# Altium PCB JacdacMicroBitBackPackHi-Alt0 119.PcbDoc (continued)
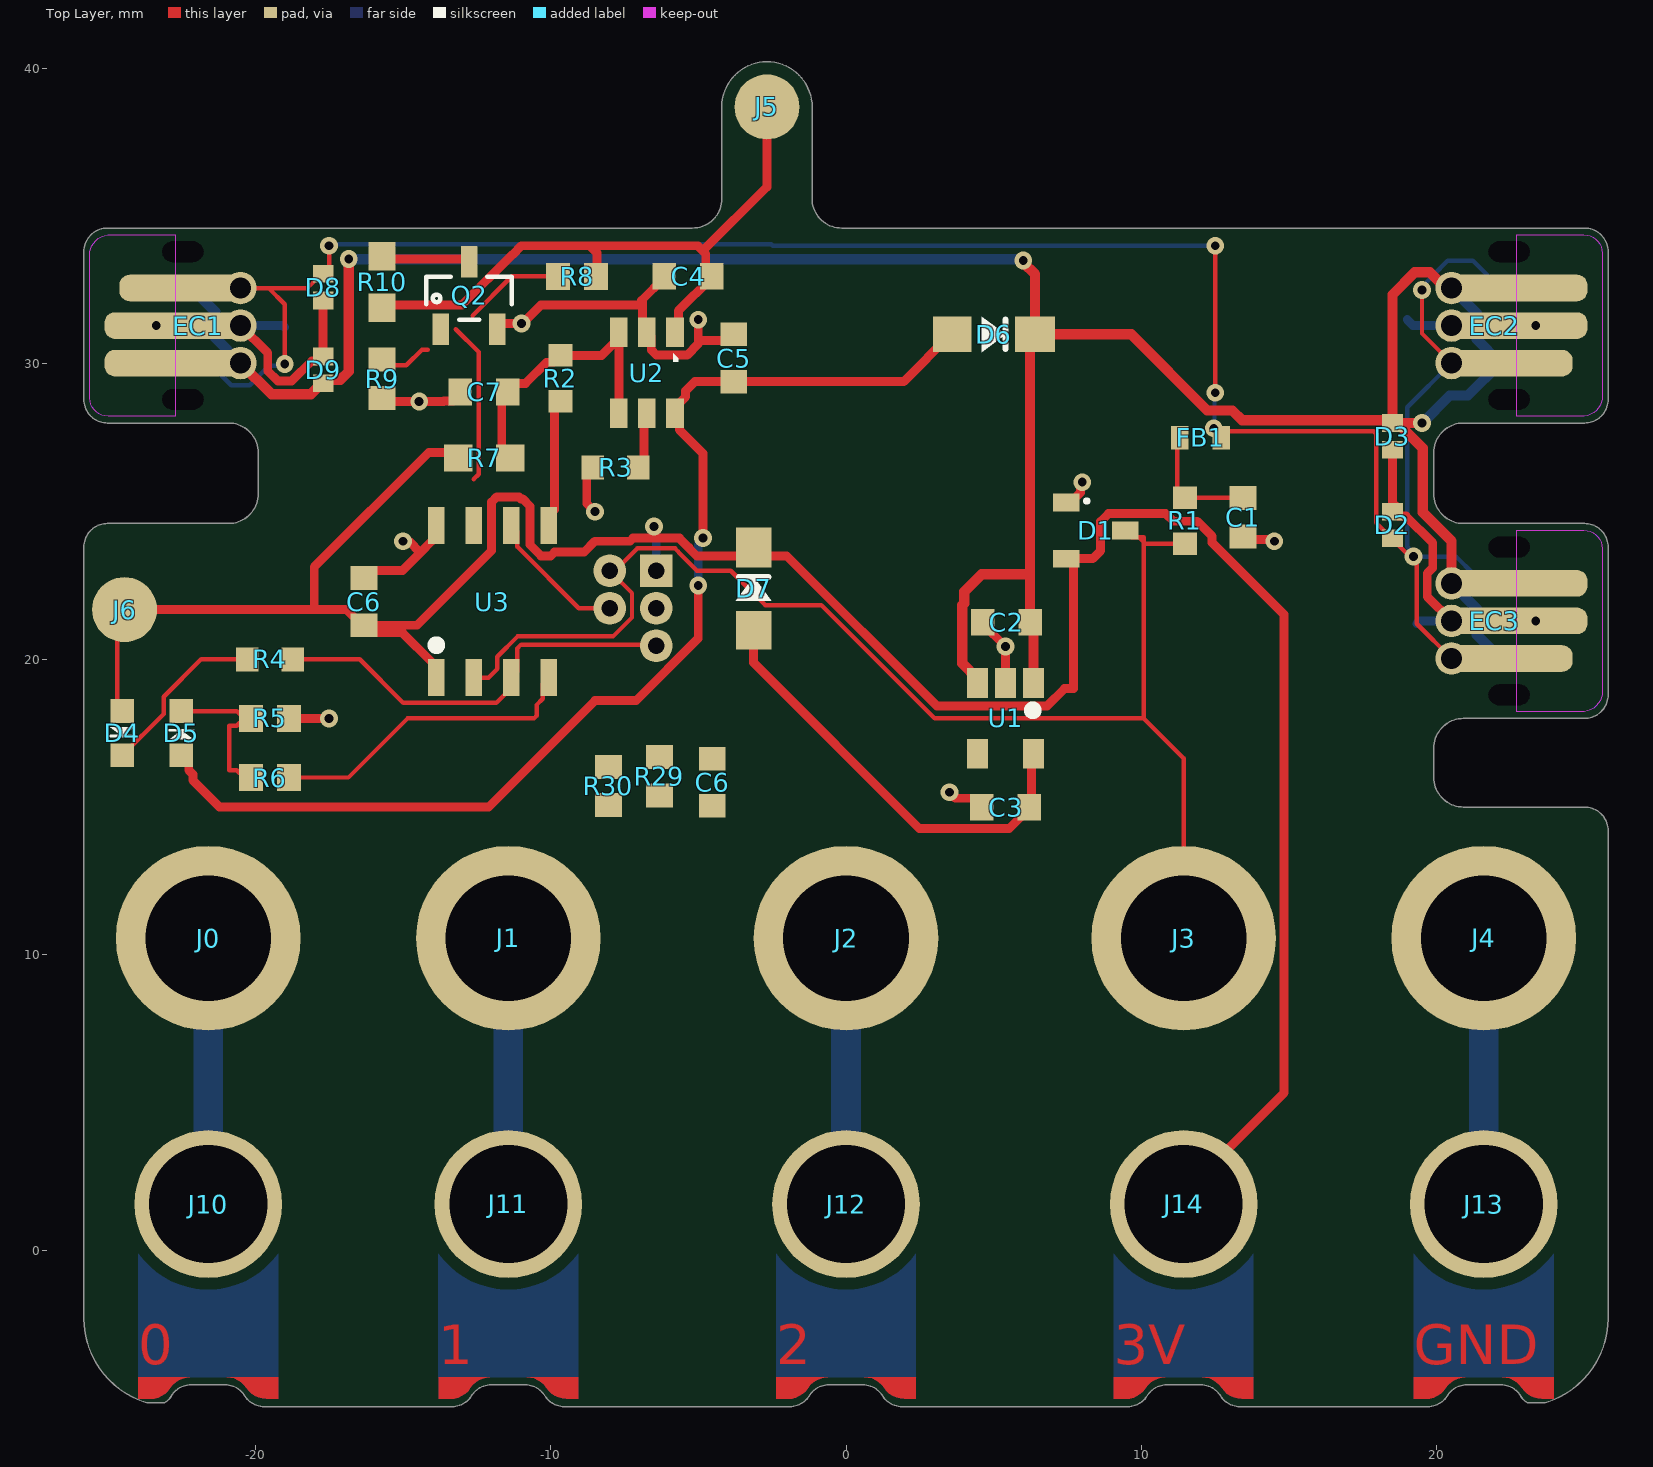
[diagram p0: Top Layer view]
## Footprints (in the part's own frame and the unit in brackets; to place one, negate y for a bottom-side part, rotate by r counter-clockwise, add the part's x,y. Pads: shape width x height; smd on the part's side, far side on the other; paste and mask are expansions set on the pad) (continued)
  Bottom Layer region: 0.625,-5.859 1.001,-5.953 1.288,-6.212 1.288,-6.212 1.286,-6.213 1.577,-6.489 1.965,-6.589 1.965,-6.589 1.965,-6.589 2.365,-6.59 2.365,-5.859
  Bottom Layer region: -0.622,-5.863 -0.998,-5.957 -1.285,-6.216 -1.285,-6.216 -1.284,-6.217 -1.574,-6.493 -1.962,-6.593 -1.962,-6.593 -1.962,-6.593 -2.362,-6.595 -2.362,-5.864
MICROBIT_V2_EDGE_CONNECTOR_RING_P1 [mm]
  round 5 hole 4 paste-5: 1(0,0)
  Top Layer region: -0.622,-5.867 -0.998,-5.961 -1.285,-6.22 -1.285,-6.22 -1.284,-6.221 -1.574,-6.497 -1.962,-6.597 -1.962,-6.597 -1.962,-6.597 -2.362,-6.598 -2.362,-5.867
  Top Layer region: 0.625,-5.863 1.001,-5.956 1.288,-6.215 1.288,-6.215 1.286,-6.217 1.577,-6.492 1.965,-6.593 1.965,-6.593 1.965,-6.593 2.365,-6.594 2.365,-5.863
  Bottom Layer region: -0.622,-5.863 -0.998,-5.957 -1.285,-6.216 -1.285,-6.216 -1.284,-6.217 -1.574,-6.493 -1.962,-6.593 -1.962,-6.593 -1.962,-6.593 -2.362,-6.595 -2.362,-5.864
  Bottom Layer region: 0.625,-5.859 1.001,-5.953 1.288,-6.212 1.288,-6.212 1.286,-6.213 1.577,-6.489 1.965,-6.589 1.965,-6.589 1.965,-6.589 2.365,-6.59 2.365,-5.859
  Bottom Layer region: -2.365,-5.863 -2.365,-1.675 -1.331,-2.573 0,-2.896 1.331,-2.573 2.365,-1.675 2.365,-1.675 2.365,-5.859 2.37,-5.863
Microbit_V2_Edge_Connector_Ring_P2 [mm]
  round 5 hole 4 paste-5: 1(0,0)
  Top Layer region: 0.625,-5.863 1.001,-5.956 1.288,-6.215 1.288,-6.215 1.286,-6.217 1.577,-6.492 1.965,-6.593 1.965,-6.593 1.965,-6.593 2.365,-6.594 2.365,-5.863
  Top Layer region: -0.622,-5.867 -0.998,-5.961 -1.285,-6.22 -1.285,-6.22 -1.284,-6.221 -1.574,-6.497 -1.962,-6.597 -1.962,-6.597 -1.962,-6.597 -2.362,-6.598 -2.362,-5.867
  Bottom Layer region: -2.365,-5.863 -2.365,-1.675 -1.331,-2.573 0,-2.896 1.331,-2.573 2.365,-1.675 2.365,-1.675 2.365,-5.859 2.37,-5.863
  Bottom Layer region: 0.625,-5.859 1.001,-5.953 1.288,-6.212 1.288,-6.212 1.286,-6.213 1.577,-6.489 1.965,-6.589 1.965,-6.589 1.965,-6.589 2.365,-6.59 2.365,-5.859
  Bottom Layer region: -0.622,-5.863 -0.998,-5.957 -1.285,-6.216 -1.285,-6.216 -1.284,-6.217 -1.574,-6.493 -1.962,-6.593 -1.962,-6.593 -1.962,-6.593 -2.362,-6.595 -2.362,-5.864
MICRONE-SOT23-5 [mm]
  rect 1x0.7 smd: 1(-1.2,0.95) 2(-1.2,0) 3(-1.2,-0.95) 4(1.2,-0.95) 5(1.2,0.95)
  silkscreen extent -0.32,0.88 -0.23,0.97, body extent -1.32,-1.5 1.32,1.5, height 1.11
"NXP-BAT54S-TO-236AB - WITHOUT OUTLINE" [mm] "SOT23, 3-Leads, Body 2.90x2.30mm, Pitch 0.95mm, IPC Medium Density"
  rect 0.9x0.6 smd: 1(-1,0.95) 2(-1,-0.95) 3(1,0)
  silkscreen extent -0.35,0.95 -0.25,1.05, body extent -1.32,-1.5 1.32,1.5, height 1.12
RC0603 [mil]
  rect 30x32 smd: 1(-30.5,0) 2(30.5,0)
  body extent -31,-16 32,16, height 28
RC0603-M [mil]
  rect 38x36 smd: 1(-34.5,0) 2(34.5,0)
  body extent -31,-16 32,16, height 28
SMTSO-M3-2ET [mm]
  round 6.25 / inner round 6.25 / far side round 4.75 hole 4.25: 1(0,0)
  body extent -2.78,-2.78 2.78,2.78, height 2
SMTSO-M3-3ET [mm]
  round 6.25 / inner round 6.25 / far side round 4.75 hole 4.25: 1(0,0)
  body extent -2.78,-2.78 2.78,2.78, height 3
SOD-123W [mm]
  rect 1.35x1.2 smd: 1(-1.4,0)
  rect 1.3x1.2 smd: 2(1.4,0)
  silkscreen extent -0.4,-0.6 0.4,0.6, body extent -1.85,-0.95 1.85,0.95, height 1.09
SOP-8 [mm] "Pitch:1.27mm,Width:150mil"
  rect 1.25x0.55 smd: 1(-2.575,1.905) 2(-2.575,0.635) 3(-2.575,-0.635) 4(-2.575,-1.905) 5(2.575,-1.905) 6(2.575,-0.635) 7(2.575,0.635) 8(2.575,1.905)
  silkscreen extent -1.52,1.85 -1.43,1.95, body extent -3,-2.55 3,2.54, height 1.3
SOT23-ONS [mil]
  rect 22x42 smd: 1(-37.5,-45) 2(37.5,-45) 3(0,45)
  silkscreen extent -57,-32 57,25, body extent -60,-52 60,52, height 44
"TDK MPZ1608 0.8mm - without outline" [mm]
  rect 0.6x0.8 smd paste-0.1: 1(-0.7,0) 2(0.7,0)
  body extent -0.8,-0.4 0.8,0.4, height 0.8
"TI-TPS2553 - without_outline" [mm] "SOT23, 6-Leads, Body 2.90x2.80mm, Pitch 0.95mm, IPC Medium Density"
  rect 1x0.6 smd: 1(-1.375,0.95) 2(-1.375,0) 3(-1.375,-0.95) 4(1.375,-0.95) 5(1.375,0) 6(1.375,0.95)
  silkscreen extent -0.67,0.89 -0.38,1.06, body extent -1.52,-1.52 1.53,1.53, height 1.1
"TVS 0402 - XL" [mm] "TVS 0402 RoHS"
  rect 0.6x0.7 smd paste-0.06 mask+0.05: 1(-0.45,0) 2(0.45,0)
  body extent -0.5,-0.3 0.5,0.3, height 0.5

## Part data
C1: library part CC0603JRNPO9BN330, "33pF 0603 100V C0G/NPO", Capacitance=33pF, Case Code (Imperial)=0603, Case Code (Metric)=1608, Dielectric=C0G, Manufacturer=Yageo, Max Operating Temperature=125°C, Min Operating Temperature=-55°C, Tolerance=5%, Voltage Rating=100V, Case/Package=0603, Category="Ceramic Capacitors", ComponentLink1Description="Online datasheet", ComponentLink1URL=https://datasheet.ciiva.com/13207/upy-gp-np0-16v-to-50v-8-13207786.pdf, Composition=Ceramic, Depth=0.8mm, Height=0.8mm, Lead Free="Lead Free", Length=1.6mm, Manufacturer 1=Yageo, Manufacturer Part Number=CC0603JRNPO9BN330, Manufacturer Part Number 1=CC0603JRNPO9BN330, Mount="Surface Mount", Packaging="Tape and Reel", RoHS=Yes, Supplier 1=Digi-Key, Termination=SMD/SMT, Thickness=0.035inch, Voltage Rating (DC)=100V, Weight=7.1E-05oz, Width=0.8mm
C2 C3 C6: library part CL10A105KO8NNNC, "SMD Multilayer Ceramic Capacitor, 1 µF, 16 V, 0603 [1608 Metric], ± 10%, X5R, CL Series", Capacitance=1uF, Case Code (Imperial)=0603, Case Code (Metric)=1608, Dielectric=X5R, Manufacturer=Samsung, Max Operating Temperature=85°C, Min Operating Temperature=-55°C, Package Quantity=1, Supplier Part Number 1=1276-1034-1-ND, Tolerance=10%, Voltage=16V, Case/Package=0603, Category="Ceramic Capacitors", ComponentLink1Description="Online datasheet", ComponentLink1URL=https://datasheet.lcsc.com/lcsc/1811021622_Samsung-Electro-Mechanics-CL10A105KO8NNNC_C1592.pdfq, Construction=Flat, Contact Plating=Tin, Depth=0.8mm, Height=0.8mm, Lead Free="Lead Free", Length=1.6mm, Manufacturer 1=Samsung, Manufacturer Part Number=CL10A105KO8NNNC, Manufacturer Part Number 1=CL10A105KO8NNNC, Material=Ceramic, Mount="Surface Mount", Packaging="Tape and Reel", Pricing 1="1=0.10000, 10=0.03600, 50=0.01960, 100=0.01600, 500=0.01144, 1000=0.00898 (USD)", Radiation Hardening=No, RoHS=Yes, RoHS Compliant=Yes, Series=CL, Stock 1=3575337, Supplier 1=Digi-Key, Supplier 2=Farnell, Supplier 3=RSComponents, Supplier 4=Mouser, Supplier 5=LCSC, Supplier Part Number 2=3013384, Supplier Part Number 3=7664780, Supplier Part Number 4=187-CL10A105KO8NNNC, Supplier Part Number 5=C1592, Thickness=0.035inch, Voltage Rating=16V, Voltage Rating (DC)=16V, Width=0.031inch
C4 C5 C6 C7: "CAP CER 4.7UF 10V X5R 0603", Capacitance=4.7uF, Case Code (Imperial)=0603, Case Code (Metric)=1608, Dielectric=X5R, Manufacturer=Samsung, Max Operating Temperature=85°C, Min Operating Temperature=-55°C, Package Quantity=1, Supplier Part Number 1=3013398, Tolerance=10%, Voltage Rating=10V, Case/Package=0603, Category="Ceramic Capacitors", Checked By=?, ComponentLink1Description="Online datasheet", ComponentLink1URL=https://datasheet.ciiva.com/25797/cl10a475kp8nnnc-25797520.pdf, Construction=Flat, Contact Plating=Tin, Created By="D Gakure", Depth=0.8mm, Height=0.8mm, Length=1.6mm, Manufacturer Part Number=CL10A475KP8NNNC, Mount="Surface Mount", Packaging="Tape and Reel", Pricing 1="10=0.02700, 100=0.02160, 500=0.01580, 1000=0.01310, 2000=0.01130 (GBP)", Pricing 2="1=0.10000, 10=0.04900, 50=0.02680, 100=0.02180, 500=0.01558, 1000=0.01224 (USD)", Radiation Hardening=No, RoHS=Yes, RoHS Compliant=Yes, Series=CL, Stock 1=75690, Supplier 1=Farnell, Supplier 2=Digi-Key, Supplier Part Number 2=1276-1044-1-ND, Thickness=0.035inch, Width=0.031inch
D1: "DIODE ARRAY SCHOTTKY 30V SOT23", Manufacturer=Nexperia, Manufacturer Part Number=BAT54S,235, Supplier Part Number 1=1727-1868-1-ND, Category="Rectifier Diodes", ComponentLink1Description="NXP datasheet online", ComponentLink1URL=https://assets.nexperia.com/documents/data-sheet/BAT54_SER.pdf, Manufacturer 1=Nexperia, Manufacturer Part Number 1=BAT54S,235, Pricing 1="1=0.13000, 10=0.11900, 100=0.05610, 500=0.03326, 1000=0.02185, 5000=0.02138 (USD)", RoHS=No, Stock 1=14011, Supplier 1=Digi-Key, Supplier 2=Mouser, Supplier 3=RSComponents, Supplier Part Number 2=771-BAT54S235, Supplier Part Number 3=1707990
D2 D3 D8 D9: "Bidirectional 5V (Max) 6V 16V 3.5A (8/20us) 0402 TVS RoHS", Manufacturer="Born Semiconductor", Package=0402, Supplier1 Part Number=C316043, Checked By=?, ComponentLink1Description="Online datasheet", ComponentLink1URL=https://datasheet.lcsc.com/szlcsc/Bourne-Semicon-Shenzhen-RCLAMP0521P-N_C316043.pdf, Created By="D Gakure", Manufacturer 1="Born Semiconductor", Manufacturer Part Number=RCLAMP0521P-N, Manufacturer Part Number 1=RCLAMP0521P-N, Supplier1=LCSC
D4: library part 19-217/S2C-AQ1R1B/3T, "LED ORANGE DIFFUSED 0603 SMD", Case Code (Imperial)=0603, Color=Orange, Manufacturer="Everlight Elec", Supplier 1 Part Number=C146215, Case/Package=0603, Colour=Orange, ComponentLink1Description="Online datasheet", ComponentLink1URL=https://datasheet.lcsc.com/lcsc/1912171731_Everlight-Elec-19-217-S2C-AQ1R1B-3T_C146215.pdf, Manufacturer Part Number=19-217/S2C-AQ1R1B/3T, Mount="Surface Mount", Supplier 1=LCSC
D5: library part 19-217/GHC-YR1S2/3T, "LED GREEN DIFFUSED 0603 SMD", Case Code (Imperial)=0603, Color=Green, Manufacturer 1="Everlight Elec", Supplier 1 Part Number=C72043, Case/Package=0603, Colour=Green, ComponentLink1Description="Online datasheet", ComponentLink1URL=https://datasheet.lcsc.com/lcsc/1811101510_Everlight-Elec-19-217-GHC-YR1S2-3T_C72043.pdf, Manufacturer Part Number 1=19-217/GHC-YR1S2/3T, Mount="Surface Mount", Supplier 1=LCSC
D6: "NEXPERIA - PMEG2010EH,115 - DIODE, RECT SCH, 20V, 1A, SOD123f", Manufacturer=Nexperia, ComponentLink1Description="Online datasheet", ComponentLink1URL=https://datasheet.lcsc.com/lcsc/2006101640_Nexperia-PMEG2010EH-115_C552825.pdf, Manufacturer Part Number=PMEG2010EH,115, RoHS=Yes, RoHS Compliant=Yes
D7: "NEXPERIA - PMEG2010ER,115 - DIODE, RECT SCH, 20V, 1A, SOD123W", Manufacturer=Nexperia, Supplier Part Number 1=1727-5192-1-ND, ComponentLink1Description="Online datasheet", ComponentLink1URL=http://www.farnell.com/datasheets/1383341.pdf, Manufacturer Part Number=PMEG2010ER,115, Pricing 1="1=0.42000, 10=0.31300, 100=0.19480, 500=0.13328, 1000=0.10252 (USD)", Pricing 2="3000=0.20000, 6000=0.16300, 9000=0.16200, 12000=0.16100, 15000=0.16000 (USD)", Pricing 3="50=0.32100, 100=0.26700, 250=0.21200, 500=0.11100, 1000=0.08200 (USD)", Pricing 4="1=0.37000, 10=0.25700, 50=0.25700, 100=0.13400, 1000=0.09400, 10000=0.07200 (USD)", Pricing 5="5=0.40400, 10=0.27600, 100=0.13400, 500=0.11500, 1000=0.07750 (GBP)", RoHS=Yes, RoHS Compliant=Yes, Stock 1=722, Stock 2=144000, Stock 3=1, Stock 4=2146, Stock 5=24250, Supplier 1=Digi-Key, Supplier 2="Future Electronics", Supplier 3=RSComponents, Supplier 4=Mouser, Supplier 5=Farnell, Supplier Part Number 2=4222907, Supplier Part Number 3=8166824P, Supplier Part Number 4=771-PMEG2010ER115, Supplier Part Number 5=1907681
EC1 EC2 EC3: library part "Jacdac edge connector", "3 pin Jacdac edge connector 1.27mm pitch", Manufacturer Part Number=JACDAC_EDGE_CONNECTOR, Checked By=?, ComponentLink1Description="Yuliang JACDAC cable connector drawing online", ComponentLink1URL=https://github.com/microsoft/jacdac-mdk/blob/main/connector/JACDAC-Connector-by-Yuliang-2020-11-28.pdf, ComponentLink2Description="JACDAC PCB edge connector spec onlin", ComponentLink2URL=https://github.com/microsoft/jacdac-mdk/blob/main/connector/JACDAC_PCB_Edge_Connector_Drawing_JD-PEC-01_rev_01.pdf, Created By="D. Gakure", PCB Type="1.6mm FR4"
FB1: "0603 1k@100MHz 0.8A chip", Case Code (Imperial)=0603, Case Code (Metric)=1608, Current Rating=800mA, DC Resistance (DCR)=300mR, Manufacturer=TDK, Manufacturer Part Number=MPZ1608S102ATA00, Package Quantity=4000, Supplier Part Number 1=445-8694-1-ND, Tolerance=25%, Case/Package=0603, ComponentLink2Description="datasheet online", ComponentLink2URL=https://www.mouser.co.uk/datasheet/2/400/eads_commercial_power_mpz1608_en-923650.pdf, ComponentLink3Description=datasheet, ComponentLink3URL="Y:\System\Altium\Libraries 2014\TDK\Datasheets\eads_commercial_power_mpz1608_en-923650.pdf", Core Material=Ferrite, Height=0.037inch, Impedance="1kR @ 100MHz", Length=0.063inch, Manufacturer 1=TDK, Manufacturer Part Number 1=MPZ1608S102ATA00, Max DC Current=800mA, Mount="Surface Mount", Packaging="Tape and Reel", Pricing 1="1=0.1, 10=0.079, 25=0.0716, 50=0.0644, 100=0.0472, 250=0.03432, 500=0.03146, 1000=0.02717 (USD)", Stock 1=113542, Supplier 1=Digi-Key, Supplier 2=Mouser, Supplier Part Number 2=810-MPZ1608S102ATA00, Width=0.031inch
J0 J1 J2 J4: library part SMTSO-M3-3ET, "Standoff Round Swage F/F M3 X 0.5-THD Carbon Steel Electro-Tin ASTM B545 Automotive", Manufacturer=PennEngineering, Supplier Part Number 1=153-SMTSO-M3-3ET, Diameter=M3, Manufacturer 1=PennEngineering, Manufacturer Part Number=SMTSO-M3-3ET, Manufacturer Part Number 1=SMTSO-M3-3ET, RoHS=No, Standoff Height=3mm, Supplier 1=Mouser
J3: library part SMTSO-M3-2ET, "Standoff Round Swage F/F M3 X 0.5-THD Carbon Steel Electro-Tin ASTM B545 Automotive", Manufacturer=PennEngineering, Supplier Part Number 1=153-SMTSO-M3-2ET, Diameter=M3, Manufacturer 1=PennEngineering, Manufacturer Part Number=SMTSO-M3-2ET, Manufacturer Part Number 1=SMTSO-M3-2ET, RoHS=No, Standoff Height=2mm, Supplier 1=Mouser
J5 J6: library part HARWIN-P70-1000045R, "Spring Loaded Contact, Pin, 2.9mm, SMT", Current Rating=2A, Manufacturer=Harwin, Manufacturer Part Number=P70-1000045R, Supplier Part Number 1=952-3127-1-ND, Category=Connectors, ComponentLink1Description="Harwin drawing online", ComponentLink1URL=https://cdn.harwin.com/pdfs/P70-10X.pdf, ComponentLink2Description="Harwin catalogue page online", ComponentLink2URL=http://www.farnell.com/datasheets/2151575.pdf, Length=3.5mm, Manufacturer 1=Harwin, Manufacturer Part Number 1=P70-1000045R, Material=Brass, Mount="Surface Mount", Plating=Gold, Pricing 1="1=1.02000, 10=0.85900, 25=0.82400, 50=0.80660, 100=0.77150, 250=0.70140, 500=0.63126 (USD)", REACH SVHC="No SVHC", RoHS=Yes, RoHS Compliant=Yes, Stock 1=1152, Supplier 1=Digi-Key, Supplier 2=Farnell, Supplier 3=Mouser, Supplier Part Number 2=2664910, Supplier Part Number 3=855-P70-1000045R, Working Height=2.9mm
J7: library part HACK_CONNECT_MINI
J10: library part "micro:bit edge connector ring P0", "One ring like those on the micro:bit edge connector, designed to take a 4mm banana plug"
J11: library part "micro:bit edge connector ring P1", "One ring like those on the micro:bit edge connector, designed to take a 4mm banana plug"
J12: library part "micro:bit edge connector ring P2", "One ring like those on the micro:bit edge connector, designed to take a 4mm banana plug"
J13: library part "micro:bit edge connector ring GND", "One ring like those on the micro:bit edge connector, designed to take a 4mm banana plug"
J14: library part "micro:bit edge connector ring 3V", "One ring like those on the micro:bit edge connector, designed to take a 4mm banana plug"
Q2: "MOSFET Transistor, N Channel, 300 mA, 60 V, 2 ohm, 10 V, 2.5 V", Case/Package=SOT-23, Continuous Drain Current (ID)=300mA, Drain to Source Breakdown Voltage=60V, Drain to Source Resistance=2R, Gate to Source Voltage (Vgs)=20V, Input Capacitance=50pF, Manufacturer="ON Semiconductor / Fairchild", Max Operating Temperature=150°C, Max Power Dissipation=350mW, Min Operating Temperature=-55°C, Package Quantity=1, Supplier Part Number 1=2N7002KCT-ND, Threshold Voltage=2.5V, Category=MOSFETs, Checked By=?, ComponentLink1Description="Online datasheet", ComponentLink1URL=https://www.onsemi.com/pdf/datasheet/2n7002k-d.pdf, Contact Plating=Tin,Matte, Created By="D. Gakure", Drain to Source Voltage (Vdss)=60V, Drain-source On Resistance-Max=2R, Element Configuration=Single, Height=1.2mm, Lead Free="Lead Free", Length=2.92mm, Manufacturer Part Number=2N7002K, Mount="Surface Mount", Number of Elements=1, Number of Pins=3, On-State Resistance=2R, Packaging="Tape and Reel", Polarity=N-CHANNEL, Power Dissipation=350mW, Pricing 1="1=0.40000, 10=0.32500, 25=0.27240, 100=0.17240, 500=0.11344, 1000=0.07714 (USD)", Pricing 2="1=0.40000, 10=0.27300, 50=0.27300, 100=0.13400, 1000=0.07800, 10000=0.05100 (USD)", Pricing 3="5=0.34800, 10=0.23500, 100=0.09100, 500=0.05850, 3000=0.04630, 9000=0.03860, 24000=0.03750, 45000=0.03530 (GBP)", Radiation Hardening=No, Rds On Max=2R, REACH SVHC="No SVHC", RoHS=Yes, Stock 1=53564, Stock 2=111825, Stock 3=101059, Supplier 1=Digi-Key, Supplier 2=Mouser, Supplier 3=Farnell, Supplier Part Number 2=512-2N7002K, Supplier Part Number 3=2453382, Turn-Off Delay Time=30ns, Turn-On Delay Time=5ns, Voltage=60V, Width=1.3mm
R1 R2: library part RC0603FR-07220RL, "Res Thick Film 0603 220 Ohm 1% 0.1W(1/10W) ±100ppm/°C Pad SMD T/R", Case Code (Imperial)=0603, Case Code (Metric)=1608, Manufacturer="= Manufacturer 1", Manufacturer 1=Yageo, Manufacturer Part Number="= Manufacturer Part Number 1", Max Operating Temperature=155°C, Max Power Dissipation=100mW, Min Operating Temperature=-55°C, Package Quantity=1, Resistance Tolerance=1%, Resistor Type="Thick Film", Supplier Part Number 1=311-220HRCT-ND, Temperature Coefficient=100ppm/°C, Voltage Rating=50V, Case/Package=0603, Category="Chip SMD Resistors", ComponentLink4Description="online datasheet", ComponentLink4URL=https://datasheet.ciiva.com/46395/443971-46395002.pdf, Construction=Rectangular, Depth=0.8mm, Features="Moisture Resistant", Height=0.022inch, Lead Free="Lead Free", Length=1.6mm, Manufacturer Part Number 1=RC0603FR-07220RL, Military Standard=Not, Number of Pins=2, Number of Terminations=2, Packaging="Tape and Reel", Power Rating=100mW, Pricing 1="1=0.10000, 10=0.02300, 100=0.00930, 1000=0.00417, 2500=0.00362 (USD)", REACH SVHC="No SVHC", Resistance=220R, RoHS=Yes, RoHS Compliant=Yes, Series=RC, Size Code=0603, Stock 1=1257522, Supplier 1=Digi-Key, Supplier 2=Farnell, Supplier 3=Mouser, Supplier 4=RSComponents, Supplier Part Number 2=2421863, Supplier Part Number 3=603-RC0603FR-07220RL, Supplier Part Number 4=1995497, Termination=SMD/SMT, Tolerance=1%, Voltage Rating (DC)=50V, Width=0.031inch
R3: library part RC0603FR-0728K7L, "Res Thick Film 0603 28.7k Ohm 1% 0.1W(1/10W) ±100ppm/C Pad SMD T/R", Case Code (Imperial)=0603, Case Code (Metric)=1608, Manufacturer=Yageo, Max Operating Temperature=155°C, Max Power Dissipation=100mW, Min Operating Temperature=-55°C, Package Quantity=1, Resistance=28.7kR, Resistor Type="Thick Film", Supplier Part Number 1=311-28.7KHRCT-ND, Temperature Coefficient=100ppm/°C, Tolerance=1%, Voltage Rating=50V, Case/Package=0603, Category="Chip SMD Resistors", ComponentLink5Description="onilne datasheet", ComponentLink5URL=https://datasheet.ciiva.com/2553/pyu-r-int-thick-7-2553533.pdf, Construction=Rectangular, Depth=0.8mm, Features="Moisture Resistant", Height=0.022inch, Lead Free="Lead Free", Length=1.6mm, Manufacturer 1=Yageo, Manufacturer Part Number=RC0603FR-0728K7L, Manufacturer Part Number 1=RC0603FR-0728K7L, Military Standard=Not, Mount="Surface Mount", Number of Terminations=2, Packaging="Tape and Reel", Power Rating=100mW, Pricing 1="1=0.10000, 10=0.02300, 100=0.00930, 1000=0.00417, 2500=0.00362 (USD)", RoHS=Yes, RoHS Compliant=Yes, Series=RC, Size Code=0603, Stock 1=276730, Supplier 1=Digi-Key, Supplier 2=Farnell, Supplier 3=Mouser, Supplier 4=RSComponents, Supplier Part Number 2=3951071, Supplier Part Number 3=603-RC0603FR-0728K7L, Supplier Part Number 4=505-1003, Technology="THICK FILM", Termination=SMD/SMT, Voltage Rating (DC)=50V, Width=0.031inch
R4: library part RC0603FR-071KL, "Res Thick Film 0603 1K Ohm 1% 1/10W ±100ppm/°C Molded SMD SMD Paper T/R", Case Code (Imperial)=0603, Case Code (Metric)=1608, Manufacturer="= Manufacturer 1", Manufacturer 1=Yageo, Manufacturer Part Number="= Manufacturer Part Number 1", Max Operating Temperature=155°C, Max Power Dissipation=100mW, Min Operating Temperature=-55°C, Resistance=1kR, Resistance Tolerance=1%, Resistor Type="Thick Film", Supplier Part Number 1=311-1.00KHRCT-ND, Temperature Coefficient=100ppm/°C, Voltage Rating=50V, Case/Package=0603, Category="Chip SMD Resistors", ComponentLink4Description="online datasheet", ComponentLink4URL=https://datasheet.ciiva.com/46395/443971-46395002.pdf, Construction=Rectangular, Contact Plating=Tin,Matte, Depth=0.8mm, Features="Moisture Resistant", Height=0.45mm, Lead Free="Lead Free", Length=1.6mm, Manufacturer Part Number 1=RC0603FR-071KL, Military Standard=Not, Number of Terminations=2, Packaging="Tape and Reel", Power Rating=100mW, Pricing 1="1=0.10000, 10=0.02300, 100=0.00930, 1000=0.00417, 2500=0.00362 (USD)", Radiation Hardening=No, REACH SVHC="No SVHC", RoHS=Yes, RoHS Compliant=Yes, Series=RC, Size Code=0603, Stock 1=7298696, Supplier 1=Digi-Key, Supplier 2=Farnell, Supplier 3=Mouser, Supplier 4=RSComponents, Supplier Part Number 2=2421849, Supplier Part Number 3=603-RC0603FR-071KL, Supplier Part Number 4=1995478, Technology="THICK FILM", Termination=SMD/SMT, Tolerance=1%
R5 R6 R8 R9 R29 R30: "Generic 0603 resistor", Manufacturer=Generic, Package Size=0603, Power=*mW, Tolerance=1%
R7: library part RC0603FR-071ML, "Res Thick Film 0603 1M Ohm 1% 0.1W(1/10W) ±100ppm/C Pad SMD T/R", Case Code (Imperial)=0603, Case Code (Metric)=1608, Manufacturer=Yageo, Max Operating Temperature=155°C, Max Power Dissipation=100mW, Min Operating Temperature=-55°C, Package Quantity=1, Resistance=1MR, Resistor Type="Thick Film", Supplier Part Number 1=311-1.00MHRCT-ND, Temperature Coefficient=100ppm/°C, Tolerance=1%, Voltage Rating=50V, Case/Package=0603, Category="Chip SMD Resistors", ComponentLink5Description="onilne datasheet", ComponentLink5URL=https://datasheet.ciiva.com/2553/pyu-r-int-thick-7-2553533.pdf, Construction=Rectangular, Depth=0.8mm, Features="Moisture Resistant", Height=0.022inch, Lead Free="Lead Free", Length=1.6mm, Manufacturer 1=Yageo, Manufacturer Part Number=RC0603FR-071ML, Manufacturer Part Number 1=RC0603FR-071ML, Military Standard=Not, Mount="Surface Mount", Number of Terminations=2, Packaging="Tape and Reel", Power Rating=100mW, RoHS=Yes, RoHS Compliant=Yes, Series=RC, Size Code=0603, Supplier 1=Digi-Key, Supplier 2=Farnell, Supplier 3=Mouser, Supplier 4=RSComponents, Supplier Part Number 2=9238840, Supplier Part Number 3=603-RC0603FR-071ML, Supplier Part Number 4=1995481, Technology="THICK FILM", Termination=SMD/SMT, Voltage Rating (DC)=50V, Width=0.031inch
R10: "RES SMD 39 OHM 1% 1/10W 0603", Case Code (Imperial)=0603, Case Code (Metric)=1608, Manufacturer=Yageo, Max Operating Temperature=155°C, Max Power Dissipation=100mW, Min Operating Temperature=-55°C, Package Quantity=1, Resistance=39R, Resistance Tolerance=1%, Resistor Type="Thick Film", Temperature Coefficient=100ppm/°C, Voltage Rating=50V, Working Voltage=75V, Case/Package=0603, Category="Chip SMD Resistors", ComponentLink1Description="Online datasheet", ComponentLink1URL=https://datasheet.ciiva.com/11819/0900766b80f96399-11819290.pdf, Construction=Rectangular, Created By="D. Gakure", Depth=0.8mm, Features="Moisture Resistant", Height=0.45mm, Lead Free="Lead Free", Length=1.6mm, Manufacturer Part Number=RC0603FR-0739RL, Military Standard=Not, Number of Terminations=2, Packaging="Tape and Reel", Power Rating=100mW, REACH SVHC="No SVHC", RoHS=Yes, RoHS Compliant=Yes, Series=RC, Technology="THICK FILM", Termination=SMD/SMT, Tolerance=1%, Voltage Rating (DC)=50V, Width=0.8mm
U1: "6V 260mV @ 200mA(typ) - - Fixed 3.3V SOT-23-5 Linear Voltage Regulators (LDO) ROHS", Case/Package=SOT-23-5, Dropout Voltage=200mV, Manufacturer="MICRONE(Nanjing Micro One Elec)", Max Input Voltage=6, Min Output Voltage=3.3V, Output Current=500mA, Supplier part number=C82942, Category="Voltage Regulators - Linear", ComponentLink3Description="On Semi datasheet online", ComponentLink3URL=https://datasheet.lcsc.com/lcsc/1811131510_MICRONE-Nanjing-Micro-One-Elec-ME6211C33M5G-N_C82942.pdf, Created=DG, Manufacturer 1="MICRONE(Nanjing Micro One Elec)", Manufacturer Part Number=ME6211C33M5G-N, Manufacturer Part Number 1=ME6211C33M5G-N, Mount="Surface Mount", Number of Regulators=1, Output Configuration=Positive, Output Type=Fixed, Pricing 1="1=0.33000, 10=0.24900, 25=0.21760, 100=0.12440, 250=0.11664, 500=0.09330, 1000=0.07153 (USD)", Stock 1=32529, Supplier 1=LCSC
U2: "IC PWR SWITCH N-CHAN 1:1 SOT23-6", Case/Package=SOT-23, Manufacturer="Texas Instruments", Max Input Voltage=6.5V, Max Operating Temperature=85°C, Max Power Dissipation=625mW, Min Input Voltage=2.5V, Min Operating Temperature=-40°C, On-State Resistance=85mR, Output Current=1.5A, Package Quantity=1, Supplier Part Number 1=296-32464-1-ND, Category="Hot Swap Controllers", ComponentLink1Description="Online datasheet", ComponentLink1URL=https://datasheet.ciiva.com/15108/getdatasheetpartid-297517-15108509.pdf, Lead Free="Lead Free", Manufacturer Part Number=TPS2553DBVR, Max Supply Voltage=6.5V, Min Supply Voltage=2.5V, Number of Outputs=1, Number of Pins=6, Packaging="Tape and Reel", Pricing 1="1=1.20000, 10=1.07100, 25=1.01640, 100=0.78050, 250=0.68972, 500=0.65340, 1000=0.50820 (USD)", Radiation Hardening=No, REACH SVHC="No SVHC", RoHS=Yes, Stock 1=14713, Supplier 1=Digi-Key, Supplier 2=Farnell, Supplier 3=Mouser, Supplier Part Number 2=3124082, Supplier Part Number 3=595-TPS2553DBVR, Weight=0.00127oz
U3: library part PFS122-SO8, "8bit MTP MCU with 12-bit ADC", Manufacturer=PADAUK, Package=SOP-8, ComponentLink1Description="Online datasheet", ComponentLink1URL=http://www.padauk.com.tw/upload/doc/PFS122%20datasheet_EN_V001_20220518.pdf, Manufacturer Part Number=PFS122-S08

## Via types
v1: diameter 0.6, hole 0.3, Top Layer to Bottom Layer, tented both sides, 26 vias

## Nets (pads, with @x,y where several pads share a name; then routed paths per layer and width w, separated by ;. In a path a pad name is that pad's centre, name@x,y a point inside that pad or via, vN(x,y) a via of type N, cw(c..) or ccw(c..) an arc to the next point about the centre after c; other vN are vias at no path point)
GND: C1.1 C2.1 C3.1 C4.1 C5.1 C6.1@-16.318,22.754 C7.1 D1.1 D2.2 D3.2 D8.2 D9.2 EC1.2 EC2.2 EC3.2 J4.1 J7.3 J13.1 Q2.2 R3.1 R5.1 R9.1 R30.2 U1.2 U2.2 U3.8 | length 56.7
  Top Layer w0.3: EC1.2@-22.7,31.3 -20.5,31.3 -19.575,30.375 -19.575,29.762 -19.238,29.425 -18.762,29.425 -18.087,30.1 -17.85,30.1 D9.2 D8.2 ; R5.1@-18.624,18 v1(-17.5,18) ; C6.1@-16.318,22.754 -16.068,23.004 -15.018,23.004 -14.407,23.616 ; R9.1@-15.7,28.725 v1(-14.45,28.725) -13.63,28.725 -13.603,28.752 -13.303,28.752 -13.053,29.002 C7.1 ; v1(-15,24) -14.791,24 -14.407,23.616 ; U3.8 -13.997,24.406 -13.997,24.025 -14.407,23.616 ; Q2.2 -11.807,31.238 -11.678,31.367 -10.958,31.367 -10.333,31.991 -7.014,31.991 -6.891,32.115 ; R3.1 -8.775,26.3 -8.775,25.275 v1(-8.5,25) ; C4.1 -6.148,32.921 -6.923,32.147 -6.891,32.115 ; v1(-5,31.5) -5,30.8 ; C5.1 -4,30.8 -5,30.8 ; v1(3.5,15.5) 3.7,15.3 4.35,15.3 4.6,15.05 C3.1 ; C2.1 4.631,21.204 v1(5.4,20.436) U1.2 ; D1.1 7.6,25.309 7.943,25.652 7.943,25.943 v1(8,26) ; C1.1 13.538,24.057 14.443,24.057 v1(14.5,24) ; D3.2 18.5,25.303 18.676,25.126 18.676,24.874 18.7,24.85 18.953,24.85 19.861,23.942 19.861,23.098 19.675,22.912 19.675,22.125 EC3.2@20.5,21.3 ; EC2.2@20.375,31.425 EC2.2@20.5,31.3 ; -6.891,32.115 -6.891,31.991 -6.891,31.225 -6.591,30.925 -6.591,30.476 -6.415,30.3 -5.377,30.3 -5,30.677 -5,30.8
  Bottom Layer w0.3: EC1.2@-20.5,31.3 -19.055,31.3 -19,31.245 ; 19,31.5 19.2,31.3 EC2.2@20.5,31.3 ; 19.325,21.205 19.42,21.3 EC3.2@20.5,21.3
  Bottom Layer w1: J13.1 J4.1
  other v1: 23.35,21.3 -23.35,31.3 23.35,31.3 -10.982,31.367
ILIM_EN: R2.1 U3.5 | length 4.4
  Top Layer w0.3: U3.5 -10.062,24.881 -9.869,25.075 -9.869,28.541 R2.1
ILIM_OUT: C5.2 D5.2 D6.2 U2.6 | length 39.7
  Top Layer w0.3: D5.2 -22.25,16.5 -22.25,16.25 -22.111,16.111 -22.111,15.906 -21.205,15 -12.102,15 -8.494,18.608 -7.103,18.608 -5,20.711 v1(-5,22.5) ; v1(-4.844,24.106) -4.844,26.979 -5.641,27.775 -5.641,28.175 U2.6 -5.791,28.525 -5.428,28.888 -5.428,29.088 -5.116,29.4 C5.2 1.95,29.4 3.55,31 D6.2
  Bottom Layer w0.3: v1(-5,22.5) -5,23.869 -4.844,24.024 v1(-4.844,24.106)
JD_DATA: D2.1 D8.1 EC1.1 EC2.1 EC3.1 FB1.1 | length 83.5
  Top Layer w0.15: EC1.1@-20.5,32.57 -19.548,32.57 ; v1(-19,30) -19,32.022 -19.548,32.57 ; v1(-17.5,34) -17.5,33.25 D8.1 -17.75,33.05 -18.23,32.57 -19.548,32.57 ; v1(12.45,27.825) 12.475,27.825 12.7,27.6 FB1.1 12.75,27.55 12.917,27.717 17.862,27.717 17.95,27.629 17.95,24.617 18.225,24.342 18.225,24.325 18.45,24.1 18.467,24.1 19.088,23.479 v1(19.208,23.479) 19.366,23.32 19.325,23.279 19.325,21.205 20.5,20.03 EC3.1@22.45,20.03 ; v1(12.5,29.025) v1(12.5,34) ; v1(19.5,32.5) 19.5,31.03 EC2.1@20.5,30.03
  Bottom Layer w0.15: EC1.1@-23.15,30.03 -21.475,30.03 -21.25,29.805 -21.25,29.719 -20.811,29.28 -20.189,29.28 -19.525,29.944 -19.056,29.944 v1(-19,30) ; v1(-17.5,34) -17.451,34.049 -2.525,34.049 -2.475,34 v1(12.5,34) ; v1(12.45,27.825) 12.475,27.85 12.475,29 v1(12.5,29.025) ; v1(19.5,32.5) 19.5,32.622 19.859,32.981 19.859,32.99 20.369,33.5 21.22,33.5 22.15,32.57 EC2.1@23.15,32.57 ; EC2.1@20.5,30.03 19,28.53 19,23.809 19.125,23.684 19.125,23.562 v1(19.208,23.479) 20.652,23.479 21.25,22.881 21.25,22.795 21.475,22.57 EC3.1@23.15,22.57
JD_DATA_CONNECT: U3.7
JD_DATA_MCU/ICPDA: D1.3 J3.1 J7.2 R1.2 U3.2 | length 45.6
  Top Layer w0.15: U3.2 -12.102,19.381 -11.807,19.676 -11.807,20.089 -11.121,20.775 -7.887,20.775 -7.245,21.417 -7.245,22.245 J7.2@-7.909,22.909 ; J7.2 J7.2@-7.909,22.909 ; D1.3 9.675,24.134 9.925,24.134 ; J3.1 11.43,16.645 10.075,18 ; R1.2 10.142,23.917 9.925,24.134 ; J7.2@-7.909,22.909 -7.063,23.755 -5.787,23.755 -5.67,23.638 -5.67,23.623 -5.047,23 -3.9,23 -2.738,21.838 -0.838,21.838 3,18 10.075,18 ; 9.925,24.134 10.075,24.134 10.075,23.917 10.075,18
JD_PWR: C2.2 D3.1 D6.1 D9.1 EC1.3 EC2.3 EC3.3 U1.1 U1.3 | length 95.7
  Top Layer w0.35: EC1.3@-20.5,30.03 -19.445,28.975 -18.125,28.975 -17.75,29.35 D9.1@-17.65,29.35 ; D9.1 -17.591,29.459 -17.117,29.459 -16.831,29.744 v1(-16.831,33.549) ; U1.3 4.45,19.35 3.931,19.869 3.931,21.829 4,21.897 4,22.295 4.589,22.884 6.231,22.884 ; v1(6,33.5) 6,33.432 6.4,33.032 D6.1 ; U1.1 6.35,21.136 C2.2 6.231,22.884 ; D3.1@18.799,27.875 19.524,27.15 19.524,24.976 20.5,24 EC3.3@20.5,22.57 ; v1(19.5,28) 18.799,28 D3.1 ; EC2.3@20.5,32.57 20.297,32.57 19.767,33.1 19.251,33.1 18.5,32.349 D3.1 ; 6.231,22.884 6.231,30.831 D6.1 ; D6.1 9.651,31 12.226,28.425 13.075,28.425 13.408,28.092 18.408,28.092 D3.1
  Bottom Layer w0.35: EC1.3@-23.4,32.57 -22.15,32.57 -21.35,31.77 -21.35,30.88 EC1.3@-20.5,30.03 ; v1(-16.831,33.549) 5.951,33.549 v1(6,33.5) ; v1(19.5,28) 20.432,28.932 21.052,28.932 EC2.3@22.15,30.03 ; EC3.3@20.5,22.57 21.35,21.72 21.35,20.83 22.15,20.03 EC3.3@23.4,20.03 ; EC2.3@20.5,32.57 21.35,31.72 21.35,30.83 EC2.3@22.15,30.03 ; EC2.3@23.4,30.03 EC2.3@22.15,30.03
JD_STATUS/ICVPP: J7.5 R4.2 U3.3 | length 14.4
  Top Layer w0.15: R4.2 -16.46,20 -14.985,18.525 -11.838,18.525 -11.332,19.031 U3.3 -11.132,19.581 -11.132,20.368 -11,20.5 -6.465,20.5 J7.5
NetC1_2: C1.2 FB1.2 R1.1 | length 4.3
  Top Layer w0.15: R1.1 11.219,25.717 FB1.2@11.219,27.419 ; R1.1@11.479,25.467 C1.2@13.424,25.467 ; FB1.2@11.219,27.419 FB1.2 ; FB1.2@11.219,27.419 FB1.2 ; FB1.2@11.219,27.419 FB1.2
NetC3_2: C3.2 D7.2 U1.5 | length 15.1
  Top Layer w0.3: D7.2 -3.13,19.888 2.483,14.275 5.525,14.275 6.25,15 C3.2@6.35,15 ; C3.2 6.275,15.075 6.275,16.725 U1.5
NetC6_2: C6.2@-4.522,16.641 R29.2
NetC7_2: C7.2 R2.2 R7.1 U2.3 U2.4 | length 9.7
  Top Layer w0.3: R7.1 -11.653,27.097 -11.653,28.852 C7.2 -11.453,29.09 -11.203,29.34 -10.854,29.34 -10.134,30.06 -9.9,30.06 R2.2 -8.275,30.291 U2.3@-7.691,30.875 ; U2.4 U2.3@-7.691,30.875 ; U2.3 U2.3@-7.691,30.875
NetD4_1: D4.1 R4.1 | length 5.9
  Top Layer w0.15: D4.1 -23.1,18.15 -23.1,18.733 -21.833,20 R4.1
NetD5_1: D5.1 R5.2 R6.2 | length 4.9
  Top Layer w0.15: D5.1 -20.626,18.25 -20.376,18 -20.626,17.75 -20.876,17.75 -20.876,16.25 -20.626,16.25 R6.2@-20.376,16
NetJ0_1: J0.1 J10.1 | length 9
  Bottom Layer w1: J10.1 J0.1
NetJ1_1: J1.1 J11.1 | length 9
  Bottom Layer w1: J11.1 J1.1
NetJ2_1: J2.1 J12.1 | length 9
  Bottom Layer w1: J12.1 J2.1
NetQ2_1: Q2.1 R29.1 R30.1
NetQ2_3: Q2.3 R10.1 | length 3
  Top Layer w0.3: R10.1@-15.7,33.549 -12.847,33.549 Q2.3
NetR3_2: R3.2 U2.5 | length 1.9
  Top Layer w0.3: R3.2 -6.833,26.692 -6.833,28.233 U2.5
PD_STATUS: R6.1 U3.4 | length 10.5
  Top Layer w0.15: R6.1@-18.624,16 -16.844,16 -14.844,18 -10.562,18 -10.474,18.088 -10.474,18.455 -10.262,18.668 -10.262,19.181 U3.4
USB_DET_PBKA/ICPCK: C6.1@-4.522,15.041 J7.4 R8.1 R9.2 U3.6 | length 15.4
  Top Layer w0.15: R9.2@-15.7,30.275 -15.394,29.969 -15.284,29.969 -15.267,29.952 -14.882,29.952 -14.354,30.481 -14.154,30.481 ; -13.208,31.176 -12.436,30.404 -12.436,26.27 -12.602,26.103 ; -12.645,31.635 -11.313,32.967 R8.1@-9.979,32.967 ; U3.6 -11.132,24.331 -11.132,23.818 -9.045,21.73 J7.4
VBIT: C6.2@-16.318,21.154 D1.2 D4.2 D7.1 J6.1 J7.1 J14.1 R7.2 U3.1 | length 92.5
  Top Layer w0.15: D4.2 -24.675,18.425 -24.675,21.43 J6.1
  Top Layer w0.3: J6.1 -18,21.683 ; U3.1 -13.997,19.506 -13.997,19.883 -15.018,20.904 -16.068,20.904 C6.2@-16.318,21.154 ; R7.2 -13.311,27.003 -14.125,27.003 -18,23.128 -18,21.683 ; J7.1 J7.1@-6.255,22.829 ; D7.1 D7.1@-3.13,23.5 ; D1.2 D1.2@7.7,23.409 ; J14.1 11.43,1.93 14.83,5.33 14.83,21.513 12.393,23.95 12.393,24.169 11.889,24.673 11.086,24.673 10.825,24.934 8.886,24.934 8.618,24.666 8.618,23.678 8.35,23.409 D1.2@7.7,23.409 ; -18,21.683 -16.897,21.683 -16.368,21.154 C6.2@-16.318,21.154 ; C6.2@-16.318,21.154 -14.522,21.154 -12,23.676 -12,25.324 -11.824,25.5 -11.069,25.5 -11,25.431 -10.943,25.431 -10.697,25.185 -10.697,23.877 -10.32,23.5 -10,23.5 -9.869,23.631 -8.869,23.631 -8.5,24 -7.313,24 -7.208,24.105 -5.642,24.105 -5.32,23.783 -5.32,23.768 -5.052,23.5 D7.1@-3.13,23.5 ; D7.1@-3.13,23.5 -2.005,23.5 3.07,18.425 6.814,18.425 7.402,19.013 7.7,19.013 D1.2@7.7,23.409
  Bottom Layer w0.3: v1(-6.5,24.5) -6.425,24.425 J7.1
VUSB: C4.2 J5.1 R8.2 R10.2 U2.1 | length 22.1
  Top Layer w0.3: R10.2@-15.7,32 -13,32 -11.301,33.699 -11.288,33.699 -10.987,34 -8.676,34 ; R8.2@-8.227,32.967 -8.427,33.167 -8.427,33.75 -8.676,34 ; U2.1 -5.674,31.192 -5.674,31.796 -4.548,32.921 C4.2 -4.748,33.171 -4.748,33.733 -4.843,33.827 ; J5.1 -2.675,35.995 -4.843,33.827 ; -8.676,34 -5.016,34 -4.843,33.827
pads on no net: EC1. EC2. EC3. U1.4

## Polygon pours and split planes (outlines as drawn)
no net on Fabrication Notes "NONET_L-01_P-001" (hatched 45Degree grid 0.6 track 0.01): 26.305,35 19.787,35 19.789,14.29 19.8,14.3 26.3,14.3 26.289,14.29
no net on Fabrication Notes "NONET_L-01_P-001" (hatched 45Degree grid 0.6 track 0.01): -26.648,23.8 -20.135,23.8 -20.136,36.05 -26.638,36.05
no net on Bottom Layer "NONET_L-01_P-001" (solid, pour order 1): -25.8,14.2 -25.8,23.8 cw(c-25,23.8) -25,24.6 -20.9,24.6 ccw(c-20.9,25.6) -19.9,25.6 -19.899,25.6 -19.898,27 -19.9,27 ccw(c-20.9,27) -20.9,28 -25,28 cw(c-25,28.8) -25.8,28.8 -25.8,33.8 cw(c-25,33.8) -25,34.6 -5.2,34.6 ccw(c-5.2,35.6) -4.2,35.6 -4.2,38.7 -4.205,38.7 cw(c-2.675,38.7) -1.145,38.7 -1.15,38.7 -1.15,35.6 ccw(c-0.15,35.6) -0.15,34.6 25,34.6 cw(c25,33.8) 25.8,33.8 25.8,28.8 cw(c25,28.8) 25,28 25.001,28 20.9,28 ccw(c20.9,27) 19.9,27 19.898,27 19.899,25.6 19.9,25.6 ccw(c20.9,25.6) 20.9,24.6 25,24.6 cw(c25,23.8) 25.8,23.8 25.8,18.8 cw(c25,18.8) 25,18 25.001,18 20.9,18 ccw(c20.9,17) 19.9,17 19.901,16 19.9,16 ccw(c20.9,16) 20.9,15 25,15 cw(c25,14.2) 25.8,14.2 25.8,1.56 -25.8,1.56

## Other copper
Top Layer:
  text "Top Layer" at -22.311,-8.333 h1.7
Bottom Layer:
  text "Bottom Layer" at -22.312,-9.833 h1.7

## Silkscreen, mask and mechanical layers (free items; w line width, h text height)
Top Overlay:
  text "Top Overlay" at -22.311,-14.058 h1.7
Bottom Overlay:
  rectangle: -18.529,32.1 -17.079,33.875
  text "'.ProjectCodenameID'-'.ProjectRevision'" at -11.679,32.513 h1
  text "JacdacBackPack for micro:bit V2" at 18.41,31.239 h1
  text "Bottom Overlay" at -13.712,-8.358 h1.7
Top Paste:
  text "Top Paste" at -13.711,-9.765 h1.7
Bottom Paste:
  text "Bottom Paste" at -13.712,-11.243 h1.7
Top Solder:
  text "Top Solder (resist)" at -13.711,-12.565 h1.7
Bottom Solder:
  text "Bottom Solder (resist)" at -13.712,-14.055 h1.7
Drill Guide:
  text "Drill Guide" at -0.287,-12.568 h1.7
Mechanical 1:
  lines w0.2: -22.8,36.619 -22.8,45.379 -14.8,45.379 -14.8,36.619 -22.8,36.619 ; -12.875,39.462 -12.875,45.662 -6.175,45.662 -6.175,39.462 -12.875,39.462 ; -6.206,25.464 -0.054,31.616 6.098,25.464 -0.054,19.312 -6.206,25.464 ; -5.378,43.159 -5.378,44.769 -4.568,44.769 -4.568,43.159 -5.378,43.159 ; 6.897,42.834 6.9,44.45 7.7,44.45 7.707,42.834 6.897,42.834
  lines w1.422: -24.53,19.193 -24.53,21.378 ; -24.53,29.71 -24.53,31.895
Dimension:
  text "Dimension" at -0.287,-11.268 h1.7
Fabrication Notes:
  lines w0.2: -28.397,31.045 -24.547,28.745 -22.797,28.745 ; -28.397,31.445 -24.547,33.745 -22.797,33.745 ; -28.397,37.245 -26.652,36.05 ; 22.45,18.8 24.2,18.8 28.05,21.1 ; 22.45,23.8 24.2,23.8 28.05,21.5 ; 22.45,28.8 24.2,28.8 28.05,31.1 ; 22.45,33.8 24.2,33.8 28.05,31.5 ; 26.302,35.012 28.638,37.349
  text "no board edge pips/ / rat's teeth/mouse bites  / in this region - make  / sure board edge is clean" at 19.601,37.75 h1.7
  text "no board edge pips/ / rat's teeth/mouse bites  / in this region - make  / sure board edge is clean" at -44.545,35.245 h1.7
  text "non-plated slots x2" at -39.368,30.838 h1.7
  text "non-plated slots x4" at 29.593,21.163 h1.7 r90
  text "Fabrication Notes" at -0.287,-8.368 h1.7
Alignment:
  lines w0.2: -25.8,1.56 25.8,1.56
Mechanical 9:
  circle w0.2: c-11.43,10.56 r2.5
  circle w0.2: c-21.59,10.56 r2.5
  circle w0.2: c11.43,10.56 r2.5
  circle w0.2: c21.59,10.56 r2.5
  circle w0.2: c0,10.56 r2.5
  circle w0.2: c-2.675,38.7 r0.5
  lines w0.01: -12.242,-12.177 ccw(c-14.567,-12.132) -12.242,-12.132
  lines w0.1: -23.069,3.827 -23.662,3.827 cw(c-22.8,6.7) -25.8,6.7 -25.8,42.7 cw(c-22.8,42.7) -22.8,45.7 22.8,45.7 cw(c22.8,42.7) 25.8,42.7 25.8,6.7 cw(c22.8,6.7) 23.651,3.823 ; -23.069,3.828 ccw(c-23.498,4.485) -22.808,4.111 ; -22.809,4.111 cw(c-22.171,3.657) -22.171,4.44 ; -22.171,4.439 -21.02,4.439 ; -21.02,4.44 cw(c-21.02,3.657) -20.382,4.111 ccw(c-19.693,4.485) -19.693,3.701 ; -19.693,3.7 -19.186,3.7 -13.852,3.7 -13.337,3.7 ; -13.337,3.701 ccw(c-13.337,4.485) -12.648,4.111 cw(c-12.01,3.657) -12.01,4.44 ; -12.01,4.439 -10.86,4.439 ; -10.86,4.44 cw(c-10.86,3.657) -10.222,4.111 ccw(c-9.533,4.485) -9.533,3.701 ; -9.533,3.7 -1.907,3.7 ; -1.907,3.701 ccw(c-1.907,4.485) -1.218,4.111 cw(c-0.58,3.657) -0.58,4.44 ; -0.58,4.439 0.57,4.439 ; 0.57,4.44 cw(c0.57,3.657) 1.208,4.111 ccw(c1.897,4.485) 1.897,3.701 ; 1.897,3.7 9.523,3.7 ; 9.523,3.701 ccw(c9.523,4.485) 10.212,4.111 cw(c10.85,3.657) 10.85,4.44 ; 10.85,4.439 12,4.439 ; 12,4.44 cw(c12,3.657) 12.638,4.111 ccw(c13.327,4.485) 13.327,3.701 ; 13.327,3.7 19.683,3.7 ; 19.683,3.701 ccw(c19.683,4.485) 20.372,4.111 cw(c21.01,3.657) 21.01,4.44 ; 21.01,4.439 22.16,4.439 ; 22.16,4.44 cw(c22.16,3.657) 22.798,4.111 ccw(c23.487,4.485) 23.065,3.824 ; 23.065,3.825 23.65,3.825
Board Outline:
  lines w0.2: -25.001,28 -20.9,28 cw(c-20.9,27) -19.9,27 ; -25,28 cw(c-25,28.8) -25.8,28.8 -25.8,33.8 cw(c-25,33.8) -25,34.6 -5.2,34.6 ccw(c-5.2,35.6) -4.2,35.6 ; -23.069,-5.173 -23.662,-5.173 cw(c-22.8,-2.3) -25.8,-2.3 -25.8,1.56 -25.8,14.2 -25.8,23.8 cw(c-25,23.8) -25,24.6 -20.9,24.6 ccw(c-20.9,25.6) -19.9,25.6 -19.898,27 ; -23.069,-5.172 ccw(c-23.498,-4.515) -22.808,-4.889 ; -22.809,-4.889 cw(c-22.171,-5.343) -22.171,-4.56 -21.02,-4.561 cw(c-21.02,-5.343) -20.382,-4.889 ccw(c-19.693,-4.515) -19.693,-5.299 -19.186,-5.3 -13.852,-5.3 -13.337,-5.3 ccw(c-13.337,-4.515) -12.648,-4.889 cw(c-12.01,-5.343) -12.01,-4.56 -10.86,-4.561 cw(c-10.86,-5.343) -10.222,-4.889 ; -10.222,-4.889 ccw(c-9.532,-4.515) -9.532,-5.299 -9.017,-5.3 -2.422,-5.3 -1.907,-5.3 ccw(c-1.907,-4.515) -1.218,-4.889 cw(c-0.58,-5.343) -0.58,-4.56 0.57,-4.561 cw(c0.57,-5.343) 1.208,-4.889 ccw(c1.898,-4.515) 1.898,-5.299 2.413,-5.3 9.018,-5.3 9.533,-5.3 ccw(c9.533,-4.515) 10.222,-4.889 cw(c10.86,-5.343) 10.86,-4.56 12.01,-4.561 cw(c12.01,-5.343) 12.648,-4.889 ccw(c13.337,-4.515) 13.337,-5.299 13.852,-5.3 19.186,-5.3 19.693,-5.3 ccw(c19.693,-4.515) 20.382,-4.889 cw(c21.02,-5.343) 21.02,-4.56 22.171,-4.561 cw(c22.171,-5.343) 22.809,-4.889 ccw(c23.498,-4.515) 23.069,-5.172 ; -4.205,38.7 cw(c-2.675,38.7) -1.145,38.7 ; -4.2,35.6 -4.2,38.7 ; -1.15,38.7 -1.15,35.6 ccw(c-0.15,35.6) -0.15,34.6 25,34.6 cw(c25,33.8) 25.8,33.8 25.8,28.8 cw(c25,28.8) 25,28 20.9,28 ccw(c20.9,27) 19.9,27 ; 19.899,25.6 19.898,27 ; 19.9,16 ccw(c20.9,16) 20.9,15 25,15 cw(c25,14.2) 25.8,14.2 25.8,1.56 25.8,-2.3 cw(c22.8,-2.3) 23.662,-5.173 23.069,-5.173 ; 19.9,25.6 ccw(c20.9,25.6) 20.9,24.6 25,24.6 cw(c25,23.8) 25.8,23.8 25.8,18.8 cw(c25,18.8) 25,18 20.9,18 ccw(c20.9,17) 19.9,17 19.901,16
  text "Board Outline" at -0.287,-9.768 h1.7
Top Assy:
  text "Top Assy" at -22.311,-11.158 h1.7
Bottom Assy:
  text "Bottom Assy" at -22.312,-12.558 h1.7
Drill Drawing:
  text "Drill Drawing" at -13.712,-15.458 h1.7
Component Keepout Dwg:
  text "Component Keepout" at -0.286,-14.08 h1.7
Routing Keepout Dwg:
  text "Routing Keepout" at -0.212,-15.458 h1.7

## Text inside footprints (layer, text, board x,y; h text height)
EC1: Mechanical 9 "Jacdac / cable connector  / body" at -29.958,26.479 h1.7 r90
EC2: Mechanical 9 "Jacdac / cable connector  / body" at 29.958,36.121 h1.7 r270
EC3: Mechanical 9 "Jacdac / cable connector  / body" at 29.958,26.121 h1.7 r270
J10: Top Layer "0" at -23.955,-4.307 h2.3; Top Solder "0" at -24.079,-4.307 h2.3
J11: Top Layer "1" at -13.795,-4.307 h2.3; Top Solder "1" at -13.919,-4.307 h2.3
J12: Top Layer "2" at -2.365,-4.307 h2.3; Top Solder "2" at -2.489,-4.307 h2.3
J13: Top Layer "GND" at 19.225,-4.307 h2.3; Top Solder "GND" at 19.101,-4.307 h2.3
J14: Top Layer "3V" at 9.065,-4.307 h2.3; Top Solder "3V" at 8.941,-4.307 h2.3